# Altium PCB 2-quilter-output.PcbDoc (part 7 of 26) (continued)
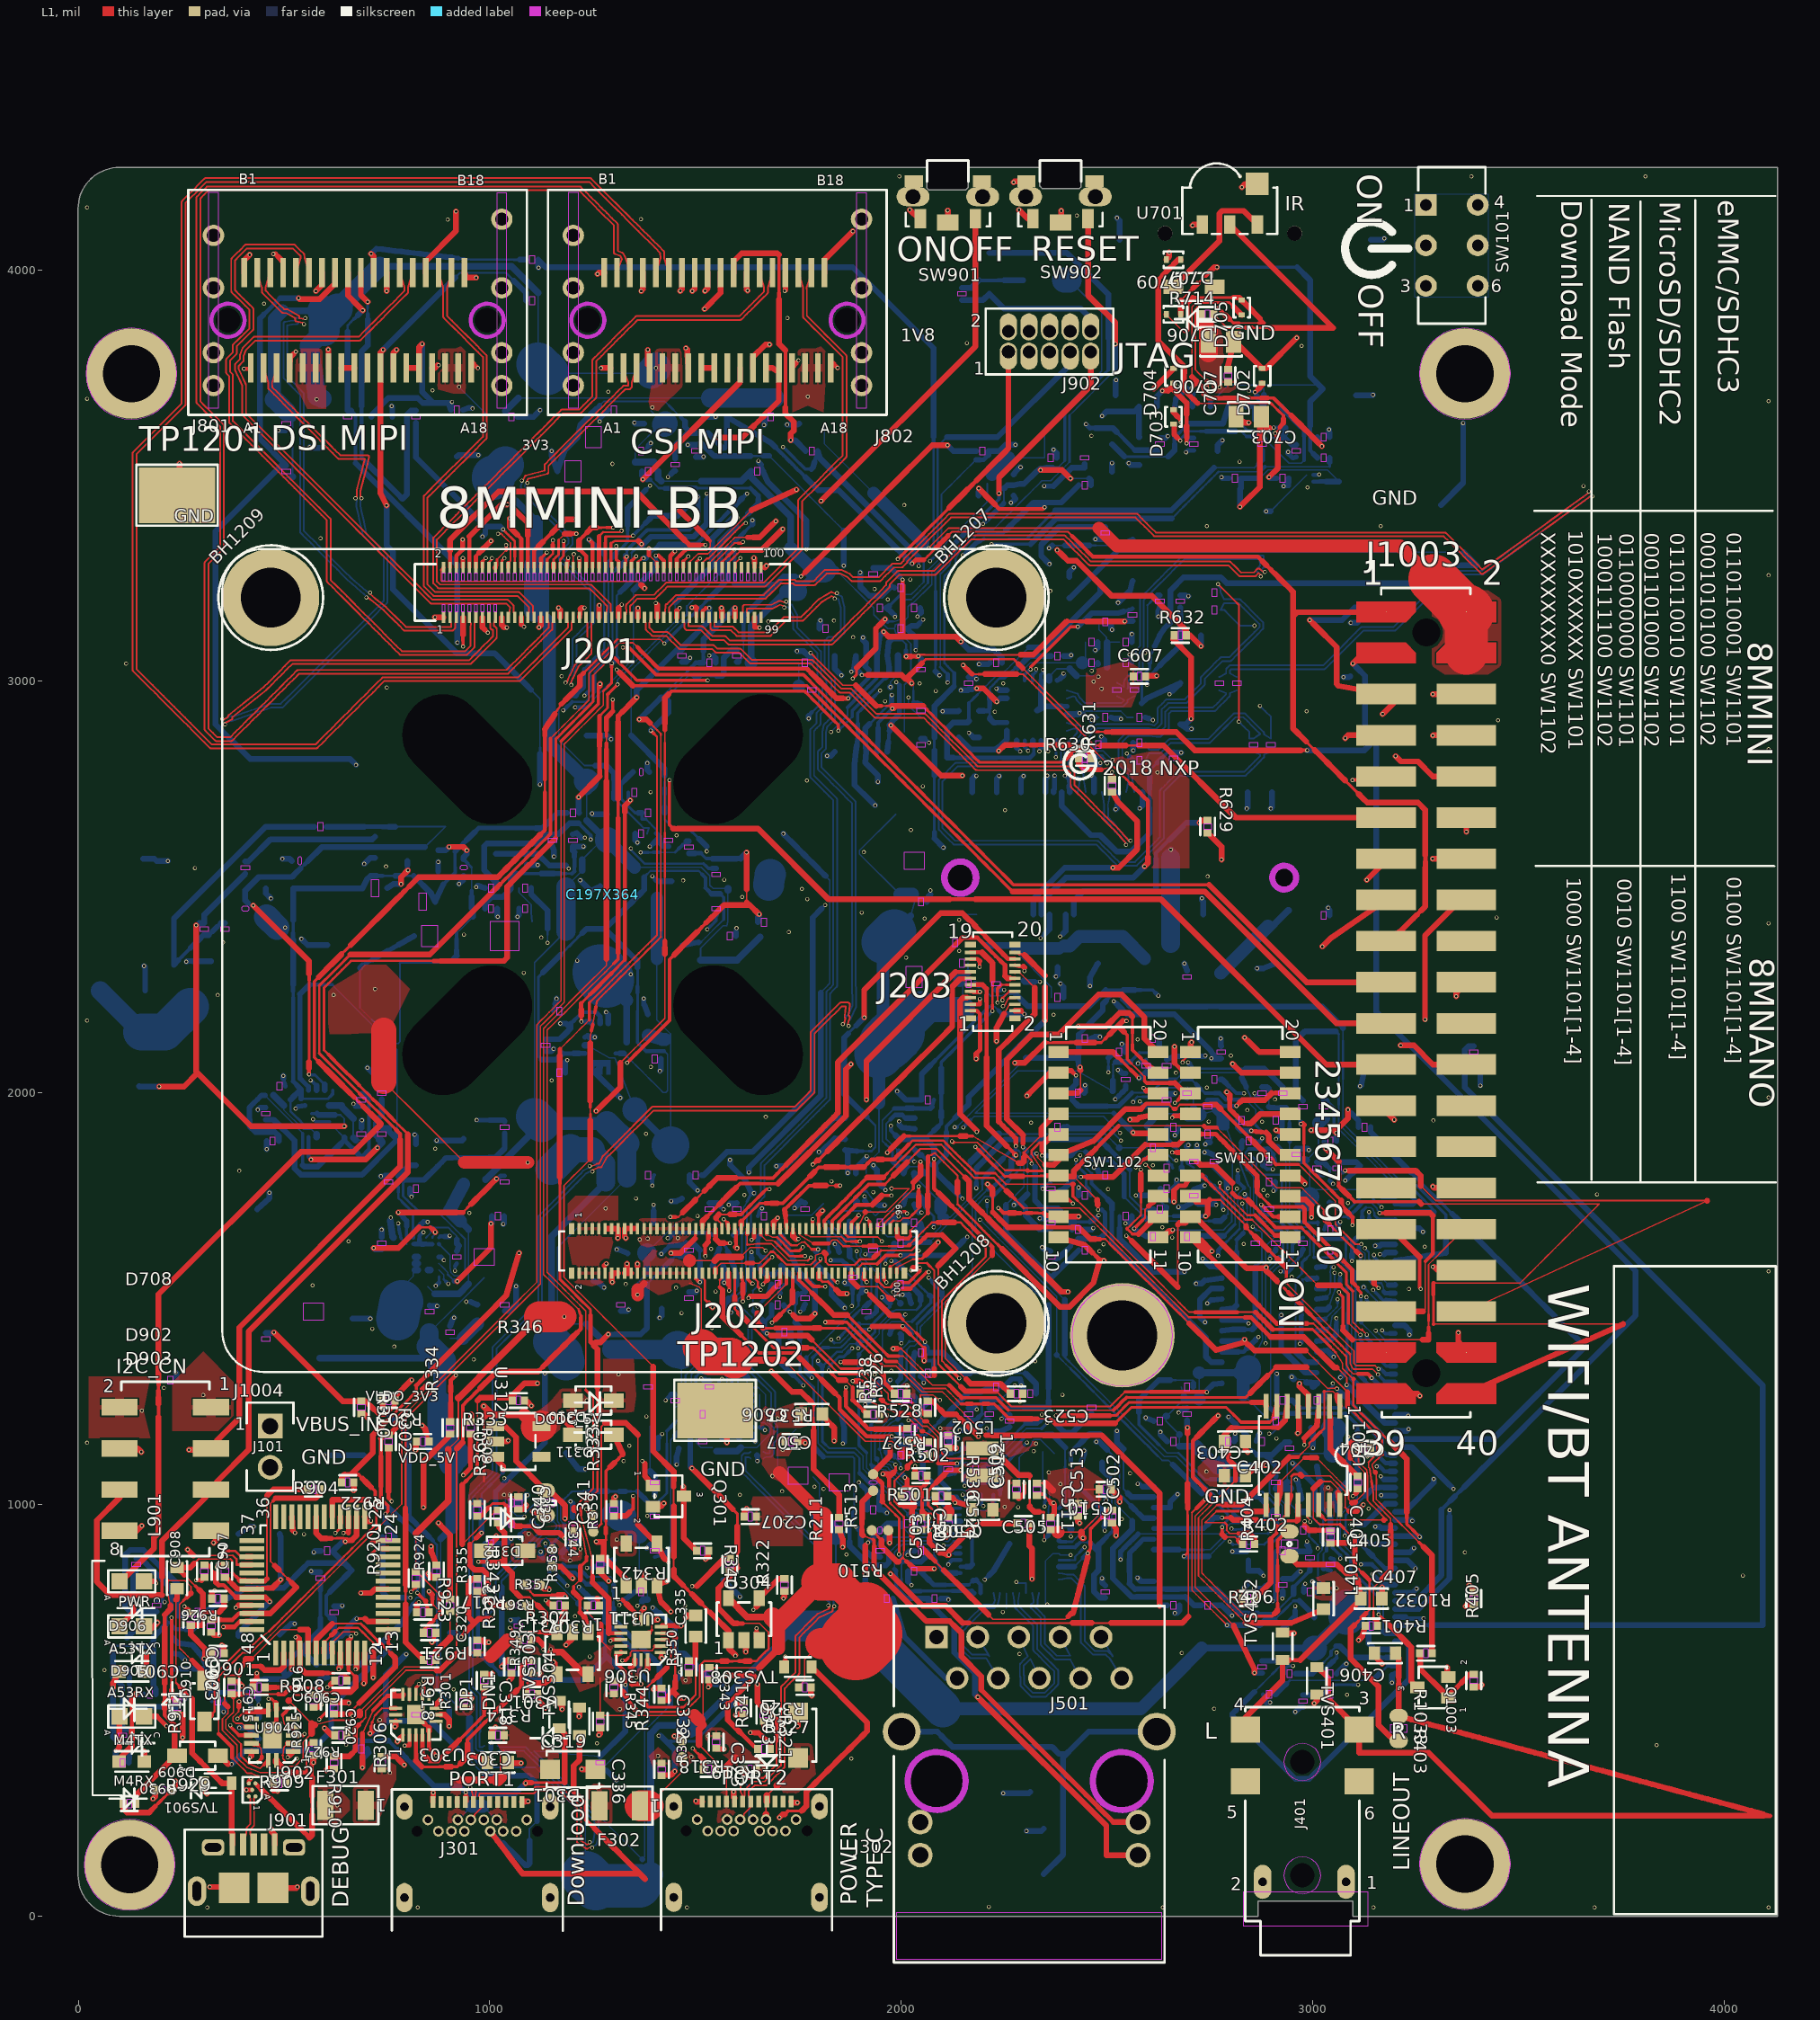
[diagram p0: L1 view]
## Nets (pads, with @x,y where several pads share a name; then routed paths per layer and width w, separated by ;. In a path a pad name is that pad's centre, name@x,y a point inside that pad or via, vN(x,y) a via of type N, cw(c..) or ccw(c..) an arc to the next point about the centre after c; other vN are vias at no path point) (continued)
ENET_RD1_BUFIN: R518.1 R532.2 U501.30 U504.1 U504.3 | length 1260.4
  L8 w3.5: 2095.75,889.16 2101.05,889.16 2111.77,889.16 2122.49,889.16 U501.30@2129.18,895.85
  L8 w3.83: 1885.99,995.14 1885.99,1009.7 1885.99,1024.26 1885.99,1038.83 1885.99,1053.39 1885.99,1067.95 1885.99,1082.52 1885.99,1097.08 1885.99,1111.64 ; 1970,881.45 1979.99,891.43 1989.97,901.41 1999.95,911.4 2015.57,911.4 2031.2,911.4 2046.82,911.4 2062.44,911.4 2078.07,911.4 2084.2,905.27 2090.32,899.14
  L8 w4.85: 1742.83,1457.5 1742.83,1473.1 ; 1810.82,1115.69 1825.05,1115.69 1839.27,1115.69 1853.5,1115.69 1867.72,1115.69 1881.95,1115.69 1885.99,1111.64 ; 1885.99,980.57 1885.99,995.14
  L8 w5.87: 1742.83,1473.1 1742.83,1488.7
  L8 w6.9: 1787.79,1138.72 1787.79,1153.12 1787.79,1167.53 1787.79,1181.93 1787.79,1196.34 1787.79,1210.74 1787.79,1225.15 1787.79,1239.55 1787.79,1253.96 1787.79,1268.36 1787.79,1282.77 ; 2090.32,899.14 2090.32,894.59 2095.75,889.16
  L8 w7.92: 1754.47,1358.9 1754.47,1344.62 1754.47,1330.35 1754.47,1316.08 1765.58,1304.97 1776.68,1293.87 1787.79,1282.77 ; 1754.47,1387.44 1754.47,1401.72 ; U501.30@2129.18,895.85 U501.30@2144.45,895.85
  L8 w8.94: 1749.5,1510.97 R518.1@1757.9,1513.48 ; 1754.47,1358.9 1754.47,1373.17
  L8 w9.96: 1693.29,1558.35 1701.18,1566.24 ; 1754.47,1373.17 1754.47,1387.44 ; 1875.13,909.53 1875.13,924.74 1875.13,939.94 1875.13,955.14
  L8 w10.99: R518.1@1757.9,1513.48 R518.1@1766.31,1515.99
  L8 w12.01: 1701.18,1566.24 1701.65,1566.27 1707.51,1566.88 ; 1742.83,1441.9 1742.83,1457.5
  L8 w13.03: 1754.47,1401.72 1754.47,1415.99 ; 1795.47,1131.04 1803.14,1123.36 1810.82,1115.69 ; 1970,858.26 1970,867.46 1970,881.45
  L8 w14.05: U504.3@1657.77,1579.82 1657.78,1571.18 1670.61,1558.35 1693.29,1558.35 ; 1707.51,1566.88 1713.55,1567.27 1718.82,1561.42 1719.94,1560.31 1729.9,1560.31 ; U504.1@1708.97,1579.82 1728.47,1560.31 1729.9,1560.31 ; 1742.83,1441.9 1754.47,1430.26 1754.47,1415.99 ; 1742.83,1488.7 1742.83,1504.3 1749.5,1510.97 ; R518.1@1766.31,1515.99 1766.3,1523.91 1743.1,1547.11 1729.9,1560.31 ; 1787.79,1138.72 1795.47,1131.04 ; 1875.13,909.53 1875.13,898.87 1922.22,851.77 1963.52,851.77 1970,858.26 ; 1875.13,955.14 1885.99,966.01 1885.99,980.57
ENET_RD2: J203.12 R533.1 R541.1 | length 2346.3
  L1 w4.85: 1452.29,1698.26 1458.52,1698.26 1469.06,1708.79 ; 1511.2,1750.93 1521.73,1761.47
  L1 w5.87: 1500.66,1740.4 1511.2,1750.93
  L1 w7.92: 1598.37,1793.07 1613.38,1793.07 1628.39,1793.07 1643.4,1793.07 1658.41,1793.07 1673.42,1793.07
  L1 w8.94: 1673.42,1793.07 1688.43,1793.07 1698.98,1803.62 1709.54,1814.18
  L1 w9.96: v1(1439.12,1698.26) 1452.29,1698.26 ; 1709.54,1814.18 1720.09,1824.73 ; 2185.63,2376.77 2196.78,2365.62 2207.93,2354.47 2219.08,2343.32 2230.23,2332.17 2241.38,2321.02 ; J203.12@2264.48,2278.13 J203.12@2276.44,2278.14
  L1 w10.99: 2148.96,2376.77 2161.18,2376.77 2173.4,2376.77 2185.63,2376.77 ; 2241.38,2321.02 2252.52,2309.87
  L1 w12.01: 2252.52,2284.11 2252.52,2288.71 2252.52,2299.29 2252.52,2309.87
  L1 w13.03: 1521.73,1761.47 1532.27,1772 ; 1720.09,1824.73 1730.65,1835.29 1741.2,1845.84 1751.75,1856.39 1762.31,1866.95 1772.86,1877.5 ; 1783.42,1888.05 1793.97,1898.61 1804.52,1909.16 1815.08,1919.72 1825.63,1930.27 1836.18,1940.82 1846.57,1951.21
  L1 w14.05: 1469.06,1708.79 1479.59,1719.33 1490.13,1729.86 1500.66,1740.4 ; 1532.27,1772 1542.8,1782.54 1553.34,1793.07 1568.35,1793.07 1583.36,1793.07 1598.37,1793.07 ; 1772.86,1877.5 1783.42,1888.05 ; 1846.57,1951.21 1846.57,2074.38 2148.96,2376.77 ; 2252.52,2284.11 2258.51,2278.13 J203.12@2264.48,2278.13
  L3 w3.5: 1495.31,1534.94 1509.77,1528.84 ; 1514.75,1455.27 1514.75,1468.99 1514.75,1482.71 1514.75,1496.43 1514.75,1510.15 1514.75,1523.87
  L3 w3.83: 1509.77,1528.84 1514.75,1523.87
  L3 w9.96: 1457.85,1666.24 1467.21,1656.88 1476.58,1647.51
  L3 w10.99: 1476.58,1647.51 1485.94,1638.15 1495.31,1628.79 1495.31,1613.14
  L3 w12.01: 1495.31,1534.94 1495.31,1550.58 ; v1(1540.13,1428.7) v1@1540.13,1429.88
  L3 w14.05: v1(1439.12,1698.26) 1439.12,1684.97 1448.49,1675.61 1457.85,1666.24 ; 1495.31,1550.58 1495.31,1566.22 1495.31,1581.86 1495.31,1597.5 1495.31,1613.14 ; 1514.75,1455.27 v1@1540.13,1429.88
  L6 w9.96: 1709.71,1240.87 1720.74,1229.83 1731.77,1218.8 1742.81,1207.77 1753.84,1196.74 1764.87,1185.71 1775.9,1174.67 1786.93,1163.64 1797.97,1152.61 1809,1141.58 1820.03,1130.55 1831.06,1119.51 1842.09,1108.48 1853.13,1097.45 1864.16,1086.42 1875.19,1075.38 1886.22,1064.35 v1(1897.26,1053.32)
  L6 w12.01: v1(1540.13,1428.7) 1553.64,1428.7 ; 1698.68,1251.9 1709.71,1240.87
  L6 w14.05: 1553.64,1428.7 1567.14,1428.7 1580.64,1428.7 1594.14,1428.7 1617.03,1405.82 ; v1(1651.01,1480.44) 1651.01,1439.8 1617.03,1405.82 ; 1698.68,1251.9 1687.64,1262.93 1676.61,1273.96 1618.9,1331.68 1618.9,1403.95 1617.03,1405.82
  L8 w7.92: v1(1897.26,1053.32) 1905.09,1045.49
  L8 w8.94: v1(1651.01,1480.44) 1651.01,1482.06 1659.8,1490.84 1668.59,1499.63 1677.37,1508.42
  L8 w13.03: 1905.09,1045.49 1911.25,1039.32 1917.42,1033.16 1917.42,1017.63
  L8 w14.05: 1677.37,1508.42 R541.1@1685.2,1534.43 ; R533.1@1917.44,986.58 1917.42,1002.11 1917.42,1017.63
ENET_RD2_BUFIN: R522.1 R533.2 U501.28 U503.1 U503.3 | length 1232.9
  L1 w5.87: 2022.46,1412.7 2033.57,1401.58 2044.69,1390.47 2055.81,1379.35
  L1 w7.92: v1(1923.2,1424.88) 1930.46,1432.14 ; v1@2004.01,1430.3 v1(2004.01,1432.93)
  L1 w9.96: 2008,1426.31 2011.34,1423.82 2022.46,1412.7
  L1 w12.01: 1996.98,1432.14 2008,1426.31 v1@2004.01,1430.3 ; 2055.81,1364.2 2055.81,1379.35
  L1 w14.05: 1930.46,1432.14 1996.97,1432.14 ; v1(2055.81,1349.06) 2055.81,1364.2
  L3 w9.96: 2080.61,863.78 2091.08,853.31 2103.06,853.31
  L3 w12.01: v1(1965.43,978.96) 1975.9,968.49
  L3 w14.05: 1975.9,968.49 1986.37,958.02 1996.84,947.55 2007.31,937.08 2017.78,926.61 2028.25,916.13 2038.72,905.66 2049.19,895.19 2059.67,884.72 2070.14,874.25 2080.61,863.78 ; 2103.06,853.31 v1(2115.05,853.31)
  L8 w3.5: 1784.45,1327.06 1791.44,1320.07 1798.43,1313.09 1798.43,1298.09 1798.43,1283.1 1798.43,1268.11 1798.43,1253.12 1798.43,1238.13 1798.43,1223.14 1798.43,1208.15 1798.43,1193.16 1798.43,1178.17 1798.43,1163.18 1798.43,1148.19
  L8 w3.83: 1798.43,1148.19 1805.89,1140.73 1813.34,1133.28 ; 1885.42,1125.82 1892.15,1119.1 1898.87,1112.37 ; 1981.75,1430.31 1988.69,1430.31 2000.48,1430.41 2007.57,1430.48 2014.45,1428.05
  L8 w4.85: 1784.45,1327.06 1784.45,1341.48 1784.45,1355.89 ; 1813.34,1133.28 1820.8,1125.82 1833.73,1125.82 1846.65,1125.82 1859.58,1125.82 1872.5,1125.82 1885.42,1125.82 ; 1824.11,1380.83 1838.82,1380.83 1853.53,1380.83 1863.59,1390.89 1873.64,1400.94 1880.4,1407.71 1887.17,1414.47 1897.12,1414.47 ; 1898.87,1076.16 1898.87,1088.23 1898.87,1100.3 1898.87,1112.37
  L8 w7.92: 1784.45,1355.89 1792.77,1364.21 1801.08,1372.52 1809.4,1380.83 1824.11,1380.83 ; 1907.54,1424.88 v1(1923.2,1424.88) ; 2009.76,1432.36 2014.45,1428.05
  L8 w8.94: 1900.6,1417.94 1907.54,1424.88 ; v1(2004.01,1432.93) 2009.18,1432.93 2009.76,1432.36 ; 2014.45,1428.05 2017.17,1428.05 ; v1(2055.81,1349.06) 2067.24,1349.06 2078.67,1349.06
  L8 w9.96: v1@2115.05,855.51 2123.87,864.33 2134.16,864.33 U501.28@2144.45,864.33
  L8 w10.99: 1898.87,1076.16 1908.49,1066.55 1918.1,1056.93 1927.72,1047.32 1937.33,1037.7 ; v1(2115.05,853.31) v1@2115.05,855.51
  L8 w13.03: 1897.12,1414.47 1900.6,1417.94 ; 1937.33,1037.7 1946.95,1028.09 1946.95,1014.25 ; U503.3@1972.95,1413.8 1975.75,1424.31 1981.75,1430.31
  L8 w14.05: 1946.95,1014.25 1946.95,1000.41 1946.95,986.57 1957.81,986.57 v1(1965.43,978.96) ; 2017.17,1428.05 2021.51,1423.71 U503.1@2024.15,1413.8 ; 2078.67,1349.06 2079.67,1348.06 R522.1@2079.66,1318.61
ENET_RD3: J203.14 R534.1 R543.1 | length 1791.4
  L1 w3.5: J203.14@2286.6,2293.69 2296.1,2284.19 2305.57,2274.72 2315.04,2265.24 2324.52,2255.77
  L1 w7.92: J203.14@2276.62,2293.69 J203.14@2286.6,2293.69
  L1 w9.96: J203.14@2276.44,2293.89 J203.14@2276.62,2293.69 ; v1(2278.66,1870.25) 2278.66,1879.65
  L1 w12.01: 2237.64,1930.07 2247.9,1919.82 2258.15,1909.56 2268.41,1899.31 2278.66,1889.05 2278.66,1879.65
  L1 w13.03: 2237.64,2104.14 2248.35,2114.84 2259.05,2125.55
  L1 w14.05: 2237.64,1930.07 2237.64,2104.14 ; 2259.05,2125.55 2269.76,2136.25 2280.46,2146.96 2291.17,2157.66 2301.88,2168.37 2312.58,2179.07 2323.29,2189.78 2324.52,2191.01 2324.52,2255.77
  L8 w3.5: 2069.11,1636.61 2077.47,1644.97 2088.39,1655.89 2099.3,1666.8 2110.22,1677.72 2121.13,1688.63 2132.04,1699.54 2142.96,1710.46 2153.87,1721.37 2164.79,1732.29 2175.7,1743.2 2186.62,1754.12 2197.53,1765.03 ; 2223.2,1748.13 2214.08,1748.13 2204.96,1748.13 2197.06,1740.24 2189.17,1732.34 2181.28,1724.45 2181.28,1711.72 2181.28,1699 2181.28,1686.27 2181.28,1673.55 2181.28,1660.82 2192.34,1649.76 2203.4,1638.7 2214.46,1627.64 2225.52,1616.58 2236.58,1605.52 2247.64,1594.46 2258.7,1583.4 2269.76,1572.34 2280.82,1561.28 2291.88,1550.21 2302.95,1539.15 2314.01,1528.09 2325.07,1517.03 2336.13,1505.97 2347.19,1494.91 2358.25,1483.85 ; 2290.25,1815.18 2290.25,1828.15 2290.25,1841.13 2290.25,1854.1
  L8 w3.83: 2280.67,1805.6 2290.25,1815.18
  L8 w4.85: 2197.53,1765.03 2197.53,1777.53 ; 2279.55,1860.82 2285.16,1859.18 2290.25,1854.1
  L8 w5.87: 2197.53,1777.53 2197.53,1790.04 ; 2268,1860.51 2279.03,1860.51 2279.55,1860.82 2278.66,1861.7
  L8 w6.9: 2261.52,1786.45 2271.09,1796.02 2280.67,1805.6
  L8 w7.92: 2278.66,1861.7 v1(2278.66,1870.25)
  L8 w8.94: 2197.53,1790.04 2207.6,1800.1 ; 2239.1,1235.56 2254,1235.56 2268.89,1235.56 2283.78,1235.56 2298.67,1235.56 ; 2247.87,1840.37 2257.93,1850.44 2268,1860.51
  L8 w9.96: 2223.21,1748.14 2232.79,1757.72 2242.36,1767.29 2251.94,1776.87 2261.52,1786.45
  L8 w10.99: 2358.25,1251.09 2358.25,1266.6 2358.25,1282.12
  L8 w14.05: R543.1@2013.31,1634.06 2017.92,1636.61 2069.11,1636.61 ; 2207.6,1800.1 2217.66,1810.17 2227.73,1820.24 2237.8,1830.31 2247.87,1840.37 ; R534.1@2214.2,1233.76 2224.21,1235.56 2239.1,1235.56 ; 2298.67,1235.56 2313.56,1235.56 2328.45,1235.56 2343.34,1235.56 2358.23,1235.56 2358.25,1251.09 ; 2358.25,1282.12 2358.25,1297.64 2358.25,1313.16 2358.25,1328.67 2358.25,1344.19 2358.25,1359.71 2358.25,1375.23 2358.25,1390.74 2358.25,1406.26 2358.25,1421.78 2358.25,1437.3 2358.25,1452.81 2358.25,1468.33 2358.25,1483.85
ENET_RD3_BUFIN: R524.1 R534.2 U501.27 U505.1 U505.3 | length 1431.3
  L3 w3.5: 2121.08,1153.12 2132.8,1148.69 2144.52,1144.27 2156.25,1139.85
  L3 w8.94: v1@1973.54,1302.13 1983.11,1292.57 1992.67,1283 2002.23,1273.44 2011.8,1263.88 2021.36,1254.31
  L3 w10.99: 2021.36,1254.31 2033.96,1254.31 2046.55,1254.31 ; 2079.48,1221.38 2090.46,1210.41 2101.43,1199.43 2112.41,1188.45
  L3 w12.01: 2046.55,1254.31 2057.53,1243.34 2068.51,1232.36 2079.48,1221.38
  L3 w14.05: 2112.41,1188.45 2123.39,1177.48 2130.6,1177.48 ; 2121.08,1153.12 2121.08,1167.96 2130.6,1177.48 ; v1(2142.78,1179.94) 2140.32,1177.48 2130.6,1177.48 ; 2156.25,1139.85 2172.86,1123.24 v1@2172.86,961.16
  L6 w5.87: 1968.56,1598.98 v1(1976.02,1591.52)
  L6 w7.92: v1(1960.04,1726.92) 1968.56,1718.39 1968.56,1703.47 1968.56,1688.54 1968.56,1673.61 1968.56,1658.68 1968.56,1643.76 1968.56,1628.83 1968.56,1613.9 1968.56,1598.98
  L8 w3.5: 1954.57,1305.94 1954.57,1320.42 1954.57,1334.9 1954.57,1349.38 1954.57,1363.87 1954.57,1378.35 1954.57,1392.83 1954.57,1407.32 1954.57,1421.8 1965.71,1432.95 1976.86,1444.09 1989.33,1444.09 2001.8,1444.09 2014.27,1444.09 2026.74,1444.09
  L8 w3.83: 1918.64,1757.97 1925.46,1748.39 1932.29,1738.81 ; 2006.4,1570.55 2016.89,1560.06 2027.37,1549.58
  L8 w4.85: 1915.75,1760.85 1918.64,1757.97 ; 2027.37,1549.58 2037.86,1539.09
  L8 w5.87: U505.3@1893.07,1736.88 1893.07,1747.66 1899.66,1754.26 1906.25,1760.85 1915.75,1760.85 ; 2037.86,1539.09 2048.34,1528.61 2058.83,1518.12 2069.31,1507.64
  L8 w6.9: 2037.35,1454.7 2047.97,1465.31 2058.58,1475.92 2069.19,1486.53 2072.28,1489.63
  L8 w7.92: 1932.29,1738.81 U505.1@1935.07,1734.9 ; v1(1976.02,1591.52) 1985.43,1591.52 ; 2026.74,1444.09 2037.35,1454.7 ; 2072.28,1489.63 2072.28,1504.67
  L8 w8.94: 2172.86,853.51 2172.86,862.66 2172.86,876.73 2172.86,890.79 2172.86,904.86 2172.86,918.93 2172.86,933 2172.86,947.07 v1(2172.86,961.14)
  L8 w9.96: U501.27@2144.45,848.58 U501.27@2158.65,848.58
  L8 w10.99: 2189.44,1188.75 2198.26,1197.57 R534.2@2207.07,1206.38
  L8 w12.01: R524.1@1939.66,1291.02 1947.11,1298.47 1954.56,1305.93 ; 1985.43,1591.52 1995.92,1581.04 ; 2180.63,1179.94 2189.44,1188.75 ; R534.2@2207.07,1206.38 R534.2@2214.2,1204.24
  L8 w13.03: 1964.25,1292.86 v1(1973.54,1302.15)
  L8 w14.05: U505.3@1890.01,1729.23 U505.3@1893.07,1736.88 ; U505.1@1935.07,1734.9 1935.52,1734.9 U505.1@1941.21,1729.23 1946.72,1726.92 v1(1960.04,1726.92) ; R524.1@1939.66,1291.02 R524.1@1932.2,1283.57 1952.87,1292.86 1964.25,1292.86 ; 1995.92,1581.04 2006.4,1570.55 ; 2069.31,1507.64 2072.28,1504.67 ; v1(2142.78,1179.94) 2180.63,1179.94 ; U501.27@2158.65,848.58 2167.93,848.58 2172.86,853.51
ENET_RX_CTL: J203.2 R535.1 R544.1 | length 1964.6
  L1 w8.94: 2291.46,2199.39 v1(2299.62,2191.23)
  L1 w14.05: J203.2@2276.44,2199.4 2291.46,2199.39
  L6 w3.83: 1711.88,1519.44 1711.88,1534.85 1711.88,1550.27 1711.88,1565.68 1711.88,1581.1 1711.88,1596.51 1711.88,1611.93 1711.88,1627.34 1711.88,1642.76 1711.88,1658.17 1711.88,1673.59
  L6 w4.85: 1711.88,1673.59 1721.6,1683.31 1731.33,1693.04 1741.05,1702.76 1750.78,1712.49 1760.51,1722.22 1770.13,1731.84 1770.13,1738.18 ; 1718.09,1456.45 1718.09,1470.64 1718.09,1484.84
  L6 w5.87: 1718.09,1499.03 1718.09,1513.23
  L6 w7.92: 1718.09,1484.84 1718.09,1499.03
  L6 w8.94: 1724.98,1262 1724.98,1246.44 1736.07,1235.35 1747.16,1224.25 1758.26,1213.16 1769.35,1202.07 1780.44,1190.98 1791.54,1179.88 1802.63,1168.79 1813.72,1157.7 1824.81,1146.61 1835.91,1135.51 1847,1124.42 1858.09,1113.33 1869.18,1102.23 1880.28,1091.14 1891.37,1080.05 1902.46,1068.96 1913.56,1057.86 ; 1724.98,1386.45 1724.98,1402
  L6 w12.01: 1711.88,1519.44 1718.09,1513.23 ; 1724.98,1370.89 1724.98,1386.45 ; 1770.24,1812.79 1770.24,1827.69 1770.24,1842.59 ; 1770.24,1872.39 1770.24,1887.3 1781.24,1898.3 1792.24,1909.3 1803.25,1920.3 1814.25,1931.31 1825.25,1942.31 1836.25,1953.31 1847.26,1964.31 1858.26,1975.32 1869.26,1986.32 1880.26,1997.32 1891.27,2008.33 1902.27,2019.33 1916.8,2019.33 1931.33,2019.33
  L6 w13.03: 1913.56,1057.86 1924.65,1046.77
  L6 w14.05: 1718.09,1456.45 1733.98,1440.55 1733.98,1437.98 1724.98,1402 ; 1724.98,1262 1724.98,1277.55 1724.98,1293.11 1724.98,1308.66 1724.98,1324.22 1724.98,1339.78 1724.98,1355.33 1724.98,1370.89 ; 1770.13,1738.18 1770.24,1738.29 1770.24,1753.19 1770.24,1768.09 1770.24,1782.99 1770.24,1797.89 1770.24,1812.79 ; 1770.24,1842.59 1770.24,1857.49 1770.24,1872.39 ; v1(1890.37,945.93) 1946.84,1002.4 1946.84,1024.58 1935.74,1035.68 1924.65,1046.77 ; 1931.33,2019.33 1945.87,2019.33 1960.4,2019.33 1974.93,2019.33 v1(1990.62,2003.64)
  L8 w3.5: 2214.01,2209.58 2227.26,2209.58
  L8 w3.83: 2227.26,2209.58 2236.43,2200.4
  L8 w7.92: 2082.91,2078.48 2093.84,2089.41 2104.76,2100.33 2115.69,2111.26 2126.61,2122.18 2137.54,2133.11 2148.46,2144.03 2159.39,2154.96 2170.31,2165.88 2181.24,2176.81 2192.16,2187.73 2203.09,2198.66 2214.01,2209.58
  L8 w9.96: v1(1890.37,945.93) 1896.1,940.2 ; 2236.43,2200.4 2245.61,2191.23
  L8 w10.99: 2071.99,2067.56 2082.91,2078.48
  L8 w14.05: 1896.1,940.2 1901.83,934.47 1901.83,899.52 1928.02,873.33 1946.33,873.33 R535.1@1948.79,872.21 ; v1(1990.62,2003.64) 2001.1,1993.16 2011.58,1982.68 R544.1@2050.14,1982.68 2050.14,2045.71 2061.06,2056.63 2071.99,2067.56 ; 2245.61,2191.23 2281.62,2191.23 v1(2299.62,2191.23)
ENET_RX_CTL_BUFIN: R521.1 R535.2 U501.32 U507.1 U507.3 | length 1066.3
  L6 w3.5: 2079.4,1592.62 2079.4,1606.01 2079.4,1619.4 2079.4,1632.8 2079.4,1646.19 2079.4,1659.58 v1(2079.4,1672.97)
  L6 w3.83: 2079.4,1592.62 2068.28,1581.5 2057.16,1570.38 2046.04,1559.26 2046.04,1545.38 2046.04,1531.5 2046.04,1517.62 2046.04,1503.74 2046.04,1489.86 2046.04,1475.99 2046.04,1462.11 2046.04,1448.23 2056.7,1437.57 2067.36,1426.9 2078.03,1416.24 2088.69,1405.58 2099.35,1394.92 2110.01,1384.25 2120.67,1373.59 2131.34,1362.93 2142,1352.27 2152.66,1341.6 2163.32,1330.94 2173.99,1320.28 2184.65,1309.62 2195.31,1298.95 2205.97,1288.29 2220.04,1288.29
  L6 w10.99: 2262.24,1288.29 v1(2276.31,1288.29)
  L6 w14.05: 2220.04,1288.29 2234.11,1288.29 2248.17,1288.29 2262.24,1288.29
  L8 w3.5: 1962.73,920 1978.4,920 1994.08,920 2009.76,920 2025.43,920 2041.11,920 2056.78,920 2072.46,920 2088.13,920 ; 2101.56,912.17 2109.69,909.62 2114.09,909.62 2118.86,914.39 2122.16,926.72 ; 2242.92,1254.9 2250.8,1262.78 2258.69,1270.67 2266.57,1278.55
  L8 w3.83: 2093.41,914.72 2101.56,912.17
  L8 w5.87: 2068.36,1710.47 2079.4,1699.43 2079.4,1685.05 ; 2196.43,1219.47 2196.43,1230.03 2196.43,1240.6 2196.43,1251.16
  L8 w7.92: U507.1@2057.32,1721.51 2068.36,1710.47
  L8 w8.94: U507.1@2057.32,1721.51 U507.1@2057.33,1729.23 ; v1(2079.4,1672.97) 2079.4,1685.05 ; 2122.16,926.72 2122.75,927.32
  L8 w9.96: 2188.81,1211.85 2196.43,1219.47 ; 2266.57,1278.55 v1(2276.31,1288.29)
  L8 w10.99: 2122.75,927.32 2133.6,927.32 U501.32@2144.45,927.32
  L8 w12.01: 2088.13,920 2093.41,914.72 ; R521.1@2172.82,1204.23 2181.19,1204.23 2188.81,1211.85
  L8 w14.05: R535.2@1948.79,901.73 1951.31,908.59 1962.73,920 ; U507.3@2006.13,1729.23 2011.85,1750.66 2044.46,1750.66 2054.2,1740.93 U507.1@2057.33,1729.23 ; R521.1@2164.44,1204.24 R521.1@2172.82,1204.23 ; 2196.43,1251.16 2200.17,1254.9 2242.92,1254.9
ENET_RXC: J203.4 R530.1 R542.1 | length 1708.5
  L1 w3.5: 2250.76,2192.12 2257.03,2203.63 J203.4@2263.3,2215.14
  L1 w4.85: J203.4@2263.3,2215.14 J203.4@2276.44,2215.14
  L1 w14.05: v1(2231.94,2125.05) 2231.94,2142.98 2231.94,2157.59 2238.22,2169.11 2244.49,2180.61 2250.76,2192.12
  L6 w3.5: 1840.29,1779.06 1843.31,1790.43 ; 1954.17,1883.34 1965.05,1894.22 1975.92,1905.09 1986.8,1915.96 ; 1983.78,1932.79 1986.8,1917.84 ; 2062.8,1369.44 2073.55,1358.68 2084.31,1347.92 2095.07,1337.16 2105.83,1326.4 2116.59,1315.65 2127.34,1304.89 2138.1,1294.13 2148.86,1283.37 2159.62,1272.61 2170.37,1261.86 2181.13,1251.1
  L6 w3.83: 1840.29,1665.41 1840.29,1680.98 1840.29,1696.55 1840.29,1712.12 1840.29,1727.7 1840.29,1743.27 1840.29,1758.84 1840.29,1768.95 1840.29,1779.06 ; 1907.29,1883.34 1922.92,1883.34 1938.55,1883.34 1954.17,1883.34 ; 1970.38,1450.37 1980.49,1440.26 1990.61,1430.14 2000.73,1420.02 2010.84,1409.9 2020.96,1399.79 2031.08,1389.67 2041.2,1379.55 2051.31,1369.44 2062.8,1369.44 ; 1986.8,1915.96 1986.8,1917.84 ; 2181.13,1251.1 2191.63,1251.1 2202.54,1240.19 2213.45,1229.27 2224.37,1218.36 2235.28,1207.45
  L6 w4.85: 1840.29,1649.83 1840.29,1665.41 ; 1983.78,1932.79 1983.78,1935.42 1994.31,1945.95 ; 2141.72,2093.36 2152.25,2103.89 2167.34,2103.89 2182.43,2103.89 2197.52,2103.89 2207.87,2093.54 2218.22,2083.19 2228.57,2072.84 2238.92,2062.48 2249.27,2052.13 2259.63,2041.78 ; 2235.28,1207.45 v1(2244.49,1207.45)
  L6 w6.9: 1832.23,1801.51 1838.26,1795.48 1843.31,1790.43 ; v1@2232.2,2124.79 2247.45,2124.79
  L6 w7.92: 1840.29,1649.83 1850.16,1639.97 1860.02,1630.11 1860.02,1615.36 ; 1927.83,1450.37 1942.01,1450.37 1956.19,1450.37 1970.38,1450.37 ; v1(2231.94,2125.05) v1@2232.2,2124.79
  L6 w8.94: 1860.02,1556.37 1860.02,1541.63 v1(1862.95,1538.7)
  L6 w9.96: 1832.23,1801.51 1832.23,1812.71 1832.23,1823.91 ; v1(1879.87,1481.64) v1@1882.38,1481.64
  L6 w10.99: 1832.23,1823.91 1842.14,1833.81 1852.04,1843.72 1861.95,1853.62 1871.86,1863.53 1881.76,1873.44 1891.67,1883.34 1907.29,1883.34
  L6 w12.01: 1994.31,1945.95 2004.84,1956.48
  L6 w14.05: 1860.02,1556.37 1860.02,1571.12 1860.02,1585.87 1860.02,1600.61 1860.02,1615.36 ; v1@1882.38,1481.64 1913.65,1450.37 1927.83,1450.37 ; 2004.84,1956.48 2015.37,1967.01 2025.9,1977.54 2036.43,1988.07 2046.96,1998.6 2057.48,2009.12 2068.01,2019.65 2078.54,2030.18 2089.07,2040.71 2099.6,2051.24 2110.13,2061.77 2120.66,2072.3 2131.19,2082.83 2141.72,2093.36 ; 2247.45,2124.79 2292.69,2079.54 2292.69,2065.98 2268.49,2041.78 2259.63,2041.78
  L8 w7.92: v1(1879.87,1481.64) 1882.44,1484.21 1882.44,1497.23 1882.44,1510.25
  L8 w8.94: 1882.44,1510.25 1882.44,1523.26
  L8 w9.96: v1(2244.49,1207.45) 2253.08,1216.04
  L8 w14.05: v1(1862.95,1538.7) 1865.37,1536.28 R542.1@1882.43,1536.28 1882.44,1523.26 ; 2253.08,1216.04 2260.23,1216.04 R530.1@2263.97,1217.16
ENET_RXC_BUFIN: R523.1 R530.2 U501.33 U506.1 U506.3 | length 1996.8
  L3 w5.87: 1671.78,1380.78 1682.45,1370.11
  L3 w7.92: v1(1586.41,1466.14) 1597.09,1455.47 1607.76,1444.8 1618.43,1434.13 1629.1,1423.46 1639.77,1412.79 1650.44,1402.12 1661.11,1391.45 1671.78,1380.78 ; 1782.44,1348.77 v1(1798.17,1348.77)
  L3 w10.99: 1682.45,1370.11 1693.12,1359.44
  L3 w14.05: 1693.12,1359.44 1703.79,1348.77 1719.52,1348.77 1735.25,1348.77 1750.98,1348.77 1766.71,1348.77 1782.44,1348.77
  L6 w3.5: 1980.68,1337.34 1991.05,1326.97 2001.41,1316.6 2011.78,1306.24 2022.15,1295.87 2032.51,1285.5 2042.88,1275.14 2053.25,1264.77 2063.61,1254.4 2073.98,1244.04 2084.35,1233.67 2094.38,1223.63
  L6 w6.9: 1966.18,1337.34 1980.68,1337.34
  L6 w9.96: v1(1895.3,1379.21) 1905.77,1368.74
  L6 w12.01: 2168.99,1223.63 2179.02,1213.59
  L6 w13.03: 1951.68,1337.34 1966.18,1337.34
  L6 w14.05: 1905.77,1368.74 1916.24,1358.27 1926.71,1347.81 1937.17,1337.34 1951.68,1337.34 ; 2094.38,1223.63 2168.98,1223.63 ; 2179.02,1213.59 2188.73,1203.88 2198.45,1194.17 v1(2208.16,1184.46)
  L8 w3.5: 1855.77,1370.19 1865.91,1380.33 1876.05,1390.47 1885.56,1390.47 1895.07,1390.47 ; 1907.99,1116.87 1907.99,1101.29 1907.99,1085.72 1919.08,1074.63 1930.17,1063.54 1941.25,1052.45 1952.34,1041.36 1963.43,1030.28 1974.52,1019.19 1985.61,1008.1 1996.7,997.01 2007.78,985.92 2018.87,974.83 ; 1936.34,1425.83 1946.84,1436.34 1957.34,1446.84 1967.84,1457.34 1978.34,1467.83 ; 1988.42,1472.66 2000.65,1472.66 2012.89,1472.66 2025.12,1472.66 2037.36,1472.66 ; 2055.16,956.09 2067.4,956.09 2079.64,956.09
  L8 w3.83: 1888.9,1135.95 1898.45,1126.41 1907.99,1116.87 ; 1978.34,1467.83 1988.41,1472.66 ; 2036.41,974.83 2045.78,965.46 2055.16,956.09
  L8 w4.85: 1580.35,1500.48 1590.1,1510.22 1599.84,1519.97 ; 1817.14,1144.53 1825.72,1135.95 1838.36,1135.95 1850.99,1135.95 1863.63,1135.95 1876.26,1135.95 1888.9,1135.95 ; 2079.64,956.09 2086.15,949.58 2092.66,943.07
  L8 w5.87: 1599.84,1519.97 1599.84,1531.92 ; 1808.57,1334.84 1817.41,1343.68 1826.24,1352.51 1835.08,1361.35 1843.91,1370.19 1855.77,1370.19 ; 2092.66,943.07 2105.61,943.07
  L8 w6.9: 1808.56,1319.69 1808.56,1304.55 1808.56,1289.4 1808.56,1274.26 1808.56,1259.12 1808.56,1243.97 1808.56,1228.83 1808.56,1213.69 1808.56,1198.54 1808.56,1183.4 1808.56,1168.25 1808.56,1153.11 1817.14,1144.53 ; 1900.1,1395.51 1913.84,1395.51 1921.34,1403.01 1928.84,1410.51 1936.34,1418 1936.34,1425.83 ; 2037.36,1472.66 2047.61,1482.91 ; 2118.55,943.07 2131.5,943.07 U501.33@2144.45,943.07
  L8 w7.92: 1558.45,1621.84 1564.05,1635.85 1574.64,1625.28 1579.19,1613.91 ; v1(1895.3,1379.21) 1900.1,1384.01 ; 2047.61,1482.91 2047.61,1495.2
  L8 w9.96: 1808.56,1319.69 1808.56,1334.84 ; 1900.1,1384.01 1900.1,1395.51
  L8 w10.99: v1@1798.17,1345.24 v1(1798.17,1348.77) ; 2105.61,943.07 2118.55,943.07 ; v1(2208.16,1184.46) 2215.71,1176.91
  L8 w12.01: v1@1798.17,1345.24 1808.57,1334.84
  L8 w14.05: U506.3@1541.65,1579.8 1547.25,1593.81 1552.85,1607.83 1558.45,1621.84 ; 1579.19,1613.91 1583.75,1602.54 1588.3,1591.17 1592.85,1579.8 1599.84,1555.83 1599.84,1543.87 1599.84,1531.92 ; 1580.35,1500.48 1580.35,1472.21 v1(1586.41,1466.14) ; 1895.07,1390.47 1900.1,1395.51 ; R523.1@2013.31,1534.43 2029.78,1525.31 2047.61,1507.49 2047.61,1495.2 ; 2018.87,974.83 2036.41,974.83 ; 2215.72,1176.9 2240.07,1176.9 R530.2@2263.98,1187.66
ENET_SD: R509.2 U501.41 | length 693.6
  L8 w3.5: 2116.62,1035.56 2132.24,1035.56 2147.86,1035.56 2157.21,1032.36 2157.77,1032.17
  L8 w3.83: 2131.81,1124.75 2140.25,1126.14
  L8 w4.85: 2123.37,1123.36 2131.81,1124.75 ; 2140.25,1126.14 2150.52,1136.41 ; 2157.77,1032.17 2160.26,1032.17 2166.57,1038.48 2166.57,1047.81 ; 2338.62,1202.27 2346.84,1206.54 2358.81,1212.77
  L8 w5.87: 2166.57,1047.81 2172.54,1053.77 ; 2273.83,1167.96 2283.84,1177.97
  L8 w6.9: 2160.17,1137.92 2174.11,1137.92 2188.05,1137.92 2201.98,1137.92 2215.92,1137.92 2229.85,1137.92 2243.79,1137.92 2253.8,1147.93 2263.81,1157.94 2273.83,1167.96 ; 2283.84,1177.97 2293.85,1187.98 2303.86,1197.99
  L8 w7.92: 2358.81,1212.77 2368.42,1203.15
  L8 w9.96: 2113.71,1123.36 2123.37,1123.36 ; U501.41@2240.43,1023.3 U501.41@2240.43,1035.05 ; 2368.42,1203.15 2378.03,1193.54
  L8 w10.99: 2104.06,1123.36 2094.77,1114.07 2094.77,1099.91 2094.77,1085.75 2094.77,1071.58 2094.77,1057.42 2105.7,1046.49 2116.62,1035.56 ; 2330.41,1198 2338.62,1202.27
  L8 w14.05: 2104.06,1123.36 2113.71,1123.36 ; 2150.52,1136.41 2158.66,1136.41 2160.17,1137.92 ; 2172.54,1053.77 2233.44,1053.77 2240.43,1046.78 U501.41@2240.43,1035.05 ; 2303.86,1197.99 2330.4,1197.99 ; 2378.03,1193.54 2387.65,1183.93 2397.26,1174.32 2416.49,1174.31 R509.2@2463.03,1220.85
ENET_TD0: J203.9 U501.36 | length 1628.9
  L1 w8.94: 2257.34,1870.35 2267.26,1860.43 v1@2277.18,1850.51
  L1 w9.96: J203.9@2168.74,2262.4 2183.43,2262.4 ; 2207.75,2086.37 2207.75,2101.49 2207.75,2116.62 2207.75,2131.75 2207.75,2146.88 2207.75,2162.01 2207.75,2177.14 ; 2207.75,2192.27 2207.75,2207.4 2207.75,2222.52 ; 2207.75,2237.65 2207.75,2252.78
  L1 w10.99: 2207.75,2177.14 2207.75,2192.27 ; 2207.75,2222.52 2207.75,2237.65
  L1 w12.01: 2183.43,2262.4 2198.13,2262.4 2207.75,2252.78 ; v1@2277.18,1850.51 v1(2279.46,1848.23)
  L1 w14.05: 2207.75,2086.37 2207.75,2071.24 2207.75,2056.11 2207.75,2040.98 2207.75,2025.85 2207.75,2010.72 2207.75,1995.59 2207.75,1980.46 2207.75,1965.34 2207.75,1950.21 2207.75,1935.08 2207.75,1919.95 2217.67,1910.03 2227.59,1900.11 2237.51,1890.19 2247.42,1880.27 2257.34,1870.35
  L8 w3.5: 1936.35,1170.85 1945.86,1180.36 1955.38,1189.88 1964.9,1199.4 1974.41,1208.91 ; 1941.27,1110.46 1943.64,1102.36 1946.02,1094.25 1955.91,1092.45 1965.8,1090.65 1968.69,1089.67 1969.82,1086.34 1980.94,1075.21 1990.9,1065.25 2000.86,1055.3 2010.82,1045.34 2020.78,1035.38 2030.74,1025.42 2040.69,1015.46 2052.65,1015.46 2064.61,1015.46 2076.57,1015.46 ; 1976.18,1208.92 1983.89,1216.64 1991.61,1224.36 1999.33,1232.07 1999.33,1246.16 1999.33,1260.25 1999.33,1274.34 1999.33,1288.44 2006.3,1295.41 2013.27,1302.38 ; 2013.27,1374.84 2019.26,1380.83 2020.84,1384.25 2032.27,1384.25 2039.68,1391.66 2047.08,1399.07 ; 2047.08,1431.42 2057.59,1441.93 2068.1,1452.44 2078.61,1462.95 2089.12,1473.46 2099.63,1483.97 2110.13,1494.48 2120.64,1504.98 2131.15,1515.49 2141.66,1526 2152.17,1536.51 2162.68,1547.02 2173.19,1557.53 2173.19,1573.01 2173.19,1588.48 2173.19,1603.96 2173.19,1619.44 2173.19,1634.92 2173.19,1650.4 2173.19,1665.88 2173.19,1681.36 2173.19,1696.84 2173.19,1712.32 2173.19,1727.8 2182.31,1736.93 2191.44,1746.05 2200.56,1755.18 2209.69,1764.3
  L8 w3.83: 1936.35,1170.85 1936.35,1156.98 1936.35,1143.12 1936.35,1129.25 1936.35,1115.39 1941.27,1110.47 ; 1974.41,1208.91 1976.16,1208.91 ; 2047.08,1399.07 2047.08,1409.85 2047.08,1420.64 2047.08,1431.42
  L8 w5.87: 2013.27,1302.38 2013.27,1316.87 2013.27,1331.36 2013.27,1345.85 2013.27,1360.35 2013.27,1374.84
  L8 w7.92: 2113.68,990.32 2129.07,990.32 U501.36@2144.45,990.32 ; 2268.65,1837.42 v1(2279.46,1848.23)
  L8 w8.94: 2209.69,1764.3 2217.06,1764.3
  L8 w10.99: 2217.06,1764.3 2227.38,1774.62 2237.69,1784.93 2248.01,1795.25 2258.33,1805.57
  L8 w12.01: 2076.57,1015.46 2088.53,1015.46 2096.92,1007.08 2105.3,998.7 2113.68,990.32
  L8 w14.05: 2258.33,1805.57 2268,1815.24 2268,1836.77 2268.65,1837.42